# KiCad board AICORS_PCB.kicad_pcb (continued)
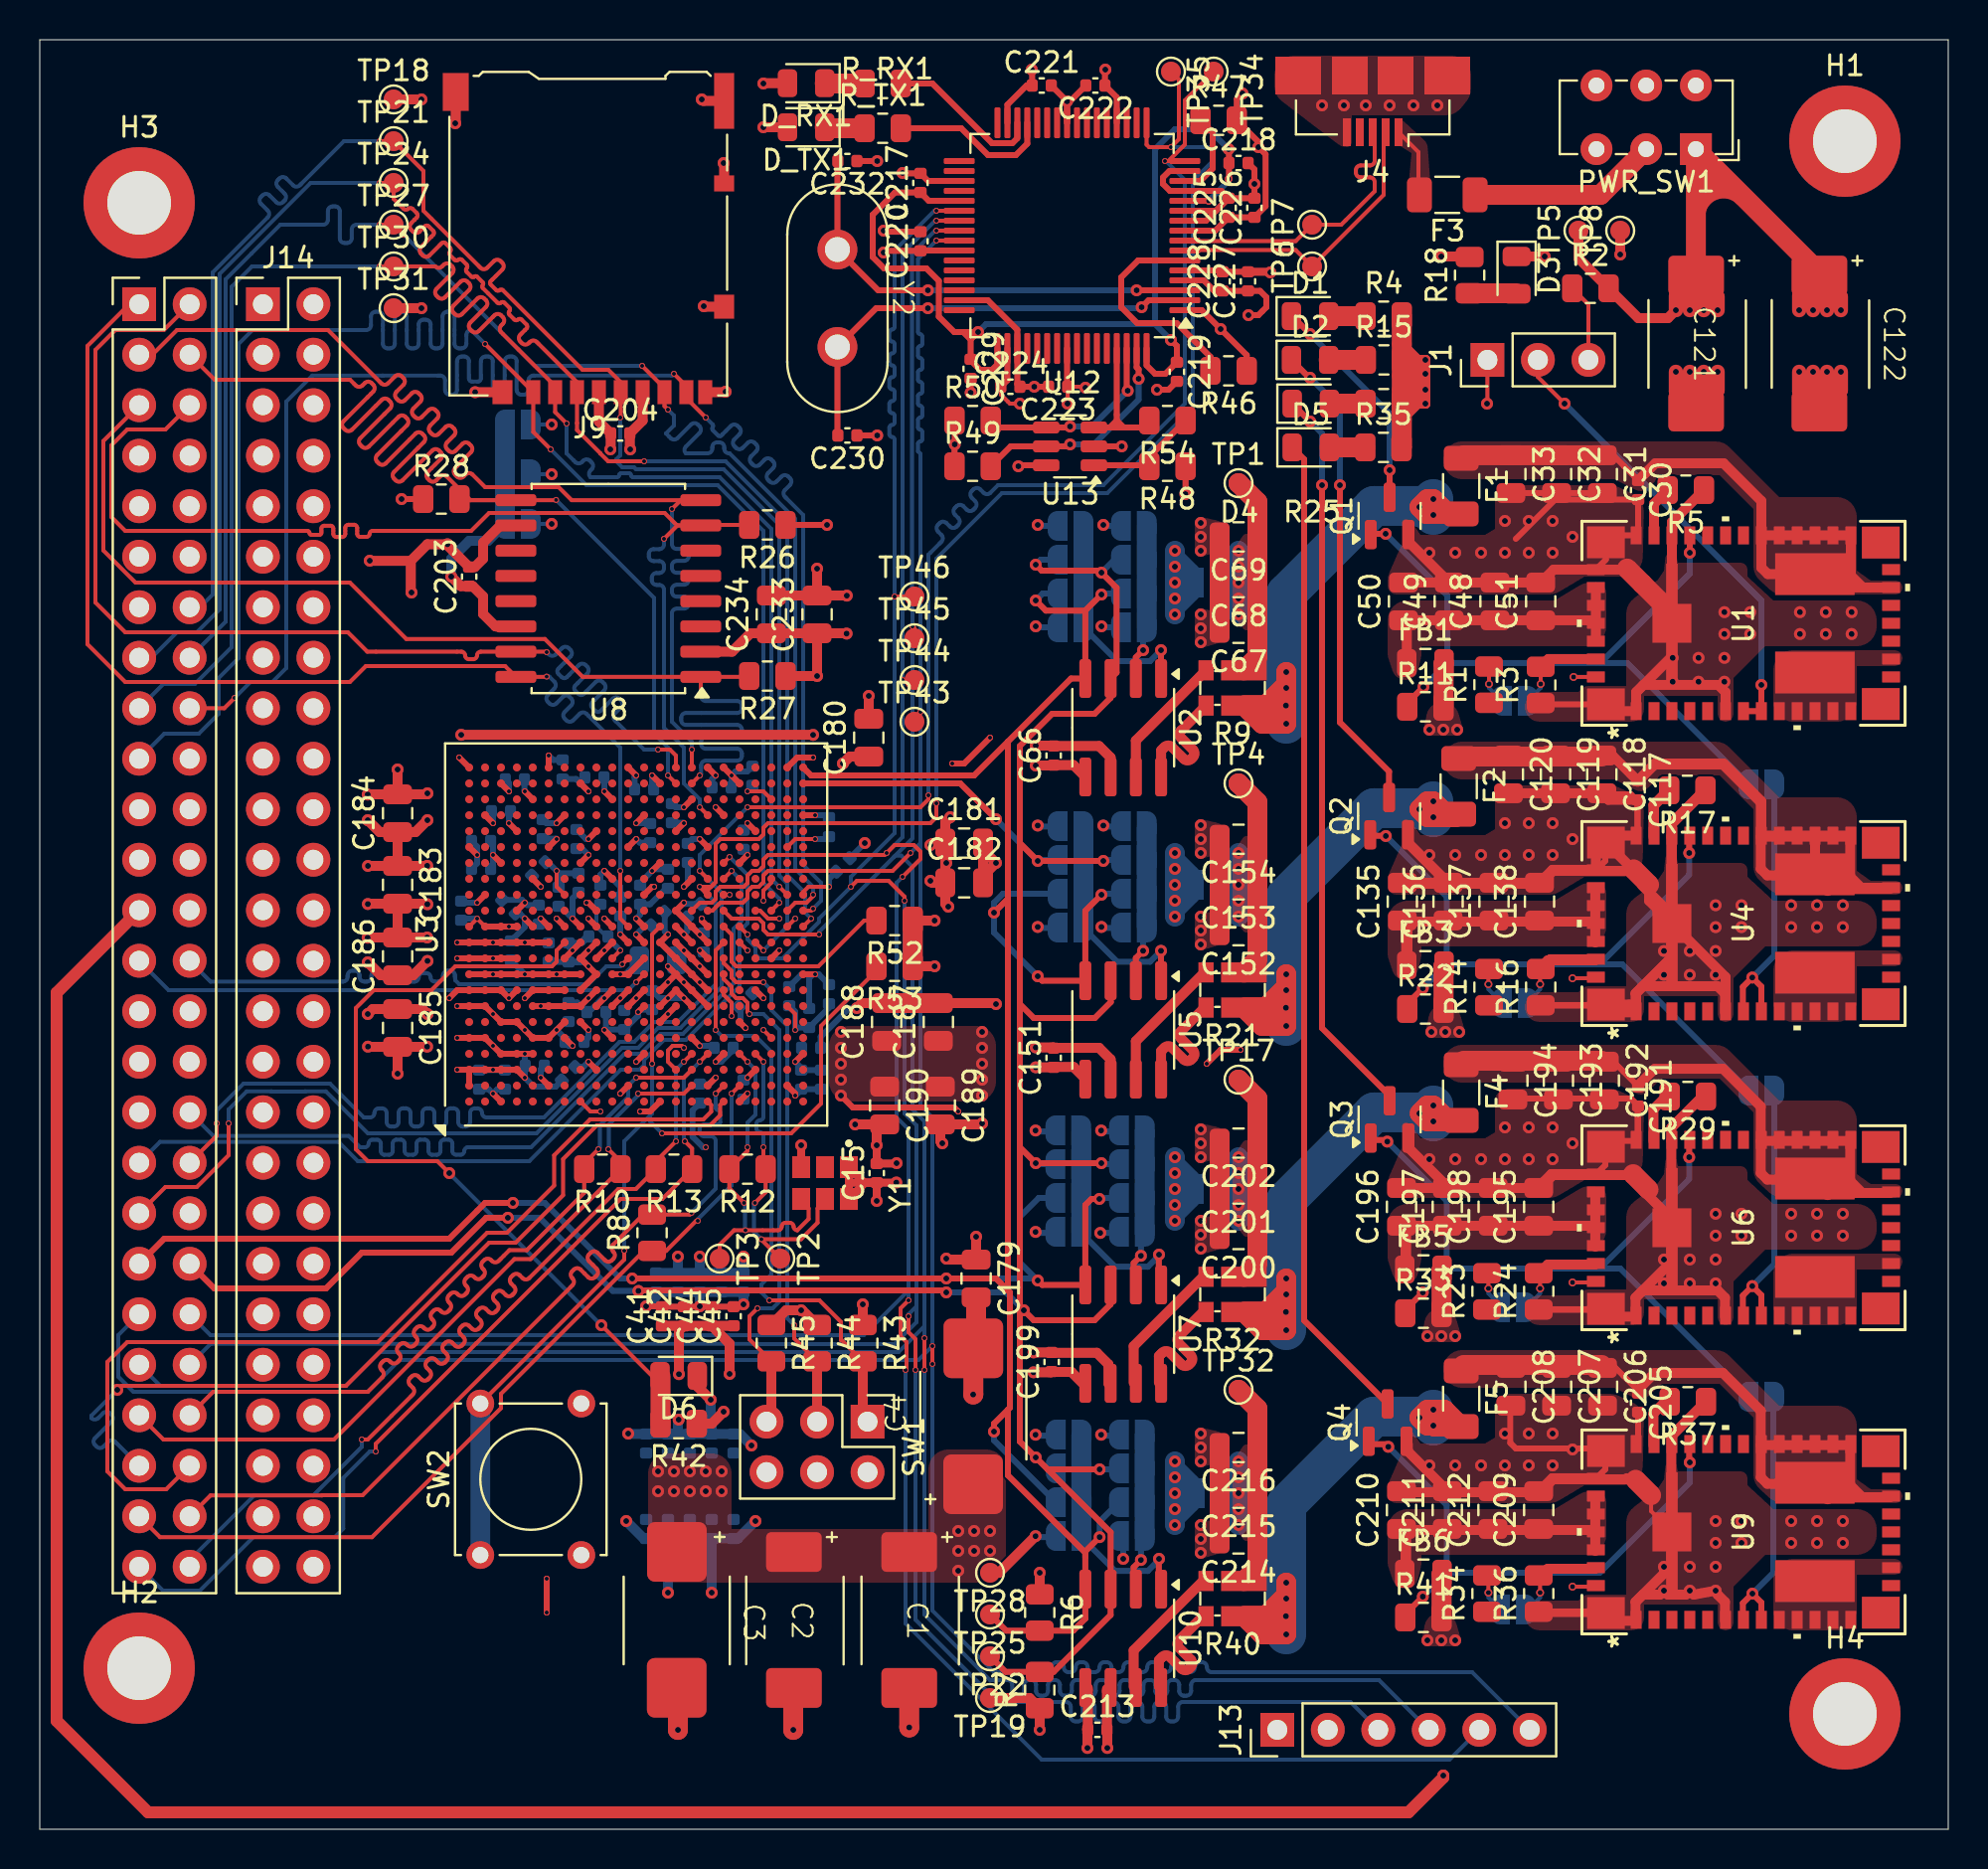
[diagram p0: board, top side]
## Routing (per net, layer and track width the routed paths; a pad name or vN(x,y) marks a point on that pad's centre or on a via; arc(x,y) is an arc through that point) (continued)
PWR_GOOD_1V: length 27.6
  Top w0.3: v2(83,18.45) 82.97,18.48 82.97,19.32 ; 68.76,10.7 68.76,10.89 v2(69.57,11.7) ; v2(67.84,19.24) 67.71,19.36 66.92,19.36
  Bottom w0.3: 70.77,12.9 70.77,16.3 v2(67.84,19.24) ; 70.77,12.9 v2(69.57,11.7) ; 70.77,12.9 78.47,12.9 83,17.43 v2(83,18.45)
PWR_GOOD_1V8: length 37.7
  Top w0.3: v2(69.57,27) 68.76,26.19 68.76,26 ; v2(82.97,33.8) 82.97,34.62 ; 66.92,34.66 67.71,34.66 v2(67.79,34.59)
  Bottom w0.3: JP12.2 79.5,28.2 78.47,28.2 ; v2(82.97,33.8) 82.97,32.7 78.47,28.2 ; 78.47,28.2 70.77,28.2 ; v2(69.57,27) 70.77,28.2 ; 70.77,28.2 70.77,31.6 v2(67.79,34.59)
PWR_GOOD_2V5: length 37.6
  Top w0.3: v2(69.57,42.3) 68.76,41.49 68.76,41.3 ; v2(67.71,49.95) 67.7,49.96 66.92,49.96 ; v2(82.97,49.1) 82.97,49.92
  Bottom w0.3: 78.47,43.5 82.97,48 v2(82.97,49.1) ; 78.47,43.5 79.6,43.5 JP6.2 ; 78.47,43.5 70.77,43.5 ; v2(67.71,49.95) 67.72,49.95 70.77,46.9 70.77,43.5 ; v2(69.57,42.3) 70.77,43.5
PWR_GOOD_3V3: length 37.5
  Top w0.3: v2(69.6,57.45) 68.79,56.64 R11.1 ; v2(83,64.2) U1.33 ; v2(67.7,65.15) 66.99,65.15 Q1.1
  Bottom w0.3: JP3.2 79.85,58.65 78.5,58.65 ; 78.5,58.65 70.8,58.65 ; 78.5,58.65 83,63.15 v2(83,64.2) ; v2(69.6,57.45) 70.8,58.65 ; 70.8,58.65 70.8,62.05 v2(67.7,65.15)
SD_CLK_SPI_3_SCK: length 88.8
  Top w0.2: v1(17.1,84.9) TP21.1 19.3,83.4 19.3,81.4 22.17,78.53 arc(22.34,78.46) 22.51,78.53 22.84,78.87 arc(23.01,78.94) 23.18,78.87 23.27,78.78 arc(23.34,78.61) 23.27,78.44 22.68,77.86 arc(22.65,77.77) 22.68,77.69 22.96,77.41 arc(23.05,77.37) 23.13,77.41 arc(23.21,77.44) 23.29,77.41 27.3,73.4 28.6,73.4 29.23,72.78 J9.5 29.23,71.03 v1(29.2,71) ; v1(36.4,44.2) U3.W11 ; 8.06,61.46 J10.14
  Bottom w0.2: J10.14 8.06,61.46 8.7,62.1 8.7,78.3 11.47,81.07 arc(11.54,81.24) 11.47,81.41 11.13,81.75 arc(11.06,81.92) 11.13,82.09 11.21,82.18 arc(11.38,82.25) 11.55,82.18 11.89,81.83 arc(12.06,81.76) 12.23,81.83 12.32,81.92 arc(12.39,82.09) 12.32,82.26 11.97,82.6 arc(11.9,82.77) 11.97,82.94 12.06,83.03 arc(12.23,83.1) 12.4,83.03 12.74,82.68 arc(12.91,82.61) 13.08,82.68 15.3,84.9 v1(17.1,84.9) ; v1(29.2,71) 29.2,69.1 29,68.9 29,68.8 29.3,68.5 29.89,68.5 29.99,68.4 34.4,68.4 37.2,65.6 37.2,47.97 37.6,47.57 37.6,45.4 v1(36.4,44.2)
SD_CMD_SPI_3_MOSI: length 88.8
  Top w0.2: v1(38.8,45.8) U3.AB12 38.5,45.5 ; v1(30.4,68.8) 28.59,68.8 28.2,69.19 28.2,69.2 27.02,70.38 27.02,70.72 J9.3 27.02,72.78 25,74.8 arc(24.83,74.87) 24.66,74.8 24.59,74.74 arc(24.42,74.67) 24.26,74.74 24.17,74.83 arc(24.1,74.99) 24.17,75.16 24.49,75.49 arc(24.53,75.58) 24.49,75.67 24.23,75.93 arc(24.14,75.96) 24.05,75.93 arc(23.96,75.89) 23.87,75.93 23.62,76.18 arc(23.59,76.26) 23.62,76.35 arc(23.66,76.44) 23.62,76.53 23.37,76.78 arc(23.28,76.81) 23.2,76.78 arc(23.11,76.74) 23.02,76.78 22.28,77.52 arc(22.25,77.59) 22.28,77.66 arc(22.31,77.73) 22.28,77.8 22,78.08 arc(21.93,78.11) 21.86,78.08 arc(21.79,78.05) 21.72,78.08 21.47,78.33 arc(21.44,78.42) 21.47,78.51 arc(21.51,78.6) 21.47,78.69 21.23,78.93 arc(21.14,78.97) 21.05,78.93 arc(20.96,78.89) 20.87,78.93 20.64,79.16 arc(20.6,79.25) 20.64,79.34 arc(20.68,79.44) 20.64,79.53 20.41,79.77 arc(20.31,79.81) 20.22,79.77 19.6,79.15 arc(19.43,79.08) 19.26,79.15 19.18,79.24 arc(19.11,79.41) 19.18,79.58 19.8,80.2 arc(19.84,80.29) 19.8,80.39 19.56,80.62 arc(19.47,80.66) 19.37,80.62 19.11,80.36 arc(18.94,80.29) 18.77,80.36 18.68,80.44 arc(18.61,80.61) 18.68,80.78 18.96,81.06 arc(19.01,81.17) 18.96,81.28 18.75,81.5 arc(18.64,81.54) 18.53,81.5 arc(18.42,81.45) 18.3,81.5 17.8,82 TP24.1 v1(17.1,82.8) ; J10.15 5.62,58.92
  Bottom w0.2: v1(38.8,45.8) 38.5,46.1 38.5,47.09 37.6,47.99 37.6,65.7 34.5,68.8 v1(30.4,68.8) ; v1(17.1,82.8) 13.62,82.8 9.05,78.23 9.05,61.35 7.9,60.2 6.9,60.2 5.62,58.92 J10.15
SD_DAT0_SPI_3_MISO: length 84.5
  Top w0.2: v1(38.9,47) 38.9,46.93 38.57,46.6 38,46.6 U3.AA13 ; v1(17.1,80.7) TP27.1 v1(18.3,80.2) ; v1(30.3,73.6) 31.43,72.48 J9.7 31.43,71.58 v1(31.6,71.4)
  Bottom w0.2: v1(17.1,80.7) 15.93,80.7 arc(15.76,80.63) 15.69,80.46 15.69,80.02 arc(15.62,79.85) 15.45,79.78 15.33,79.78 arc(15.16,79.85) 15.09,80.02 15.09,81.38 arc(15.02,81.55) 14.85,81.62 14.73,81.62 arc(14.56,81.55) 14.49,81.38 14.49,80.94 arc(14.42,80.77) 14.25,80.7 12.1,80.7 9.35,77.95 9.35,60.73 J10.16 ; v1(31.6,71.4) 31.9,71.1 31.9,70.6 31.5,70.2 31.74,69.96 arc(31.91,69.89) 32.08,69.96 32.76,70.65 arc(32.93,70.72) 33.1,70.65 33.19,70.56 arc(33.26,70.4) 33.19,70.23 32.5,69.54 arc(32.43,69.37) 32.5,69.2 33.59,69.2 arc(33.76,69.27) 33.83,69.44 33.83,69.51 arc(33.9,69.68) 34.07,69.75 34.19,69.75 arc(34.36,69.68) 34.43,69.51 34.43,69.44 arc(34.5,69.27) 34.67,69.2 34.7,69.2 38,65.9 38,48.3 38.9,47.4 v1(38.9,47) ; v1(18.3,80.2) 24.9,73.6 v1(30.3,73.6)
SD_DAT1: length 85.8
  Top w0.2: v1(38.9,46.3) 38.8,46.2 U3.AB13 ; v1(31.9,73.2) 32.52,72.58 J9.8 32.52,71.98 v1(33.5,71) ; v1(9.8,56.9) 9.28,56.38 J10.18
  Bottom w0.2: v1(9.8,56.9) 10.6,57.7 11.7,57.7 12.4,58.4 12.4,71.8 13.71,73.11 20.15,73.11 arc(20.32,73.04) 20.39,72.87 20.39,72.39 arc(20.46,72.22) 20.63,72.15 20.75,72.15 arc(20.92,72.22) 20.99,72.39 20.99,73.83 arc(21.06,74) 21.23,74.07 21.35,74.07 arc(21.52,74) 21.59,73.83 21.59,72.96 arc(21.63,72.85) 21.74,72.81 22.04,72.81 arc(22.14,72.85) 22.19,72.96 22.19,73.83 arc(22.26,74) 22.43,74.07 22.55,74.07 arc(22.72,74) 22.79,73.83 22.79,72.39 arc(22.86,72.22) 23.03,72.15 23.15,72.15 arc(23.32,72.22) 23.39,72.39 23.39,73.83 arc(23.46,74) 23.63,74.07 23.75,74.07 arc(23.92,74) 23.99,73.83 23.99,72.39 arc(24.06,72.22) 24.23,72.15 24.35,72.15 arc(24.52,72.22) 24.59,72.39 24.59,72.87 arc(24.66,73.04) 24.83,73.11 31.81,73.11 v1(31.9,73.2) ; v1(38.9,46.3) 39.3,46.7 39.3,47.6 38.4,48.5 38.4,66.1 37.48,67.02 arc(37.41,67.19) 37.48,67.36 37.74,67.61 arc(37.81,67.78) 37.74,67.95 37.65,68.03 arc(37.48,68.1) 37.31,68.03 37.06,67.78 arc(36.89,67.71) 36.72,67.78 36.64,67.86 arc(36.56,68.03) 36.64,68.2 36.89,68.46 arc(36.96,68.63) 36.89,68.8 36.8,68.88 arc(36.63,68.95) 36.46,68.88 36.21,68.63 arc(36.04,68.56) 35.87,68.63 35.79,68.71 arc(35.72,68.88) 35.79,69.05 36.04,69.31 arc(36.11,69.48) 36.04,69.65 35.96,69.73 arc(35.79,69.8) 35.62,69.73 35.36,69.48 arc(35.19,69.41) 35.02,69.48 34.94,69.56 arc(34.87,69.73) 34.94,69.9 35.19,70.15 arc(35.26,70.32) 35.19,70.49 35.11,70.58 arc(34.94,70.65) 34.77,70.58 34.27,70.09 arc(34.2,70.06) 34.13,70.09 33.85,70.37 arc(33.82,70.44) 33.85,70.51 arc(33.88,70.58) 33.85,70.65 v1(33.5,71)
SD_DAT2: length 87.7
  Top w0.2: v1(37.2,46.6) U3.Y13 ; v1(25.7,69.4) 24.83,70.28 J9.1 v1(22.4,74.7)
  Bottom w0.2: v1(37.2,46.6) 37.2,46.8 36.4,47.6 36.4,65.3 34.1,67.6 27.5,67.6 v1(25.7,69.4) ; v1(22.4,74.7) 21.7,75.4 arc(21.53,75.33) 21.46,75.16 21.46,74.72 arc(21.39,74.55) 21.22,74.48 21.1,74.48 arc(20.93,74.55) 20.86,74.72 20.86,76.08 arc(20.79,76.25) 20.62,76.32 20.5,76.32 arc(20.33,76.25) 20.26,76.08 20.26,74.72 arc(20.19,74.55) 20.02,74.48 19.9,74.48 arc(19.73,74.55) 19.66,74.72 19.66,75.68 arc(19.59,75.85) 19.42,75.92 19.3,75.92 arc(19.13,75.85) 19.06,75.68 19.06,74.72 arc(18.99,74.55) 18.82,74.48 18.7,74.48 arc(18.53,74.55) 18.46,74.72 18.46,76.08 arc(18.39,76.25) 18.22,76.32 18.1,76.32 arc(17.93,76.25) 17.86,76.08 17.86,74.72 arc(17.79,74.55) 17.62,74.48 17.5,74.48 arc(17.33,74.55) 17.26,74.72 17.26,76.08 arc(17.19,76.25) 17.02,76.32 16.9,76.32 arc(16.73,76.25) 16.66,76.08 16.66,75.64 arc(16.59,75.47) 16.42,75.4 10.7,75.4 10,74.7 10,58.9 9,57.9 9,56.1 8,55.1 6.26,55.1 J10.19
SD_DAT3_SPI_3_CS: length 88
  Top w0.2: v1(17.1,78.6) TP30.1 19.9,78.6 arc(20.07,78.53) 20.24,78.6 20.32,78.68 arc(20.49,78.75) 20.66,78.68 20.75,78.6 arc(20.82,78.43) 20.75,78.26 19.96,77.47 arc(19.89,77.3) 19.96,77.13 20.04,77.05 arc(20.21,76.98) 20.38,77.05 21.17,77.84 arc(21.34,77.91) 21.51,77.84 21.6,77.75 arc(21.67,77.58) 21.6,77.41 20.81,76.62 arc(20.74,76.45) 20.81,76.28 20.89,76.2 arc(21.06,76.13) 21.23,76.2 22.02,76.99 arc(22.19,77.06) 22.36,76.99 22.44,76.9 arc(22.51,76.73) 22.44,76.56 21.65,75.77 arc(21.58,75.6) 21.65,75.43 21.74,75.35 arc(21.91,75.28) 22.08,75.35 22.87,76.14 arc(23.04,76.21) 23.21,76.14 23.29,76.05 arc(23.36,75.88) 23.29,75.71 23.21,75.63 arc(23.14,75.46) 23.21,75.29 25.93,72.58 J9.2 25.93,71.28 v1(26.5,70.7) ; J10.17 5.48,56.38 ; v1(37.2,47.4) U3.AA14
  Bottom w0.2: J10.17 6.22,57.6 7.8,57.6 9.65,59.45 9.65,77.57 10.68,78.6 v1(17.1,78.6) ; v1(37.2,47.4) 36.8,47.8 36.8,65.4 34.2,68 29.84,68 arc(29.77,68.03) 29.74,68.1 arc(29.71,68.17) 29.64,68.2 29.24,68.2 arc(29.17,68.17) 29.14,68.1 arc(29.11,68.03) 29.04,68 27.7,68 arc(27.63,68.17) 27.7,68.34 27.76,68.4 arc(27.83,68.57) 27.76,68.74 27.68,68.83 arc(27.51,68.9) 27.34,68.83 27.28,68.76 arc(27.11,68.69) 26.94,68.76 26.5,69.2 v1(26.5,70.7)
SPI_1_CS_FLASH: length 62.3
  Top w0.2: 33.25,65.58 32.06,65.58 31.43,66.2 22.6,66.2 21.7,65.3 16.74,65.3 arc(16.64,65.26) 16.59,65.15 arc(16.55,65.04) 16.44,65 16.12,65 arc(16.01,65.04) 15.97,65.15 15.97,65.45 arc(15.92,65.56) 15.81,65.61 15.52,65.61 arc(15.41,65.56) 15.37,65.45 15.37,65.15 arc(15.32,65.04) 15.21,64.99 14.92,64.99 arc(14.81,65.04) 14.77,65.15 14.77,65.43 arc(14.73,65.52) 14.64,65.56 14.3,65.56 arc(14.2,65.52) 14.17,65.43 14.17,65.2 arc(14.14,65.13) 14.07,65.1 13.67,65.1 arc(13.6,65.13) 13.57,65.2 arc(13.54,65.27) 13.47,65.3 4.3,65.3 3.6,66 3.6,69.6 4.4,70.4 6.32,70.4 J10.6 ; 33.25,65.58 32.08,65.58 v1(31.4,64.9) ; 33.25,65.58 33.27,65.6 R26.2 ; v1(33.2,51.4) U3.T19
  Bottom w0.2: v1(33.2,51.4) 33.2,51.8 32.4,52.6 32.4,54.4 31.4,55.4 31.4,62.34 arc(31.33,62.51) 31.16,62.58 31.03,62.58 arc(30.86,62.65) 30.79,62.82 30.79,62.94 arc(30.86,63.11) 31.03,63.18 31.16,63.18 arc(31.33,63.25) 31.4,63.42 31.4,63.54 arc(31.33,63.71) 31.16,63.78 30.88,63.78 arc(30.71,63.85) 30.64,64.02 30.64,64.14 arc(30.71,64.31) 30.88,64.38 31.16,64.38 arc(31.33,64.45) 31.4,64.62 v1(31.4,64.9)
SPI_1_IO2: length 62.4
  Top w0.2: U8.9 25.96,66.85 v1(25.97,66.86) ; U8.9 21.66,66.85 20.47,68.03 arc(20.3,68.1) 20.13,68.03 19.94,67.84 arc(19.77,67.77) 19.6,67.84 19.52,67.93 arc(19.45,68.1) 19.52,68.27 20.17,68.92 arc(20.24,69.09) 20.17,69.26 20.08,69.34 arc(19.92,69.41) 19.75,69.34 18.25,67.84 arc(18.08,67.77) 17.91,67.84 17.82,67.93 arc(17.75,68.1) 17.82,68.27 19.32,69.77 arc(19.39,69.94) 19.32,70.11 19.24,70.19 arc(19.07,70.26) 18.9,70.19 17.4,68.69 arc(17.23,68.62) 17.06,68.69 16.97,68.78 arc(16.9,68.95) 16.97,69.12 18.47,70.61 arc(18.54,70.78) 18.47,70.95 18.39,71.04 arc(18.22,71.11) 18.05,71.04 16.55,69.54 arc(16.38,69.47) 16.21,69.54 16.12,69.62 arc(16.05,69.79) 16.12,69.96 17.62,71.46 arc(17.69,71.63) 17.62,71.8 17.54,71.89 arc(17.37,71.96) 17.2,71.89 15.7,70.39 arc(15.53,70.32) 15.36,70.39 15.28,70.47 arc(15.21,70.64) 15.28,70.81 16.78,72.31 arc(16.85,72.48) 16.78,72.65 16.69,72.74 arc(16.52,72.81) 16.35,72.74 16.23,72.62 arc(16.06,72.55) 15.89,72.62 15.61,72.9 8.8,72.9 J10.4 ; U8.9 21.17,66.85 R28.2 ; v1(31.6,53) U3.P21
  Bottom w0.2: v1(31.6,53) 31.6,54.4 30.9,55.1 30.9,61.93 v1(25.97,66.86)
SPI_1_IO3: length 61.8
  Top w0.2: U8.1 35.64,57.96 R27.2 ; U8.1 27.31,57.96 25.4,59.86 18.44,59.86 15.6,62.7 4.82,62.7 3.2,64.32 3.2,69.82 J10.5 ; U8.1 33.25,57.12 v1(33.27,57.11) ; v1(33.2,53) U3.R21
  Bottom w0.2: v1(33.2,53) 33.27,53.07 33.27,53.5 arc(33.34,53.67) 33.51,53.74 35.08,53.74 arc(35.25,53.81) 35.32,53.98 35.32,54.1 arc(35.25,54.27) 35.08,54.34 33.51,54.34 arc(33.34,54.41) 33.27,54.58 33.27,54.7 arc(33.34,54.87) 33.51,54.94 35.08,54.94 arc(35.25,55.01) 35.32,55.18 35.32,55.3 arc(35.25,55.47) 35.08,55.54 32.51,55.54 arc(32.34,55.61) 32.27,55.78 32.27,55.9 arc(32.34,56.07) 32.51,56.14 35.08,56.14 arc(35.25,56.21) 35.32,56.38 35.32,56.5 arc(35.25,56.67) 35.08,56.74 33.51,56.74 arc(33.34,56.81) 33.27,56.98 v1(33.27,57.11)
SPI_1_MISO_IO1: length 59.9
  Top w0.2: v1(31.8,66.4) 32.25,66.85 U8.8 26.76,66.85 26.1,67.5 22.4,67.5 21.76,68.14 arc(21.59,68.21) 21.42,68.14 21.32,68.04 arc(21.15,67.96) 20.98,68.04 20.89,68.12 arc(20.82,68.29) 20.89,68.46 21.69,69.25 arc(21.76,69.42) 21.69,69.59 21.6,69.68 arc(21.43,69.75) 21.26,69.68 20.91,69.33 arc(20.74,69.26) 20.57,69.33 20.49,69.41 arc(20.42,69.58) 20.49,69.75 20.84,70.1 arc(20.91,70.27) 20.84,70.44 20.75,70.53 arc(20.58,70.6) 20.42,70.53 20.06,70.17 arc(19.89,70.1) 19.73,70.17 19.64,70.26 arc(19.57,70.43) 19.64,70.6 19.99,70.95 arc(20.06,71.12) 19.99,71.29 19.91,71.37 arc(19.74,71.44) 19.57,71.37 19.22,71.02 arc(19.05,70.95) 18.88,71.02 18.79,71.11 arc(18.72,71.28) 18.79,71.45 19.14,71.8 arc(19.21,71.97) 19.14,72.14 19.06,72.22 arc(18.89,72.29) 18.72,72.22 18.37,71.87 arc(18.2,71.8) 18.03,71.87 17.94,71.96 arc(17.87,72.13) 17.94,72.3 18.29,72.65 arc(18.36,72.82) 18.29,72.99 18.21,73.07 arc(18.04,73.14) 17.87,73.07 17.52,72.72 arc(17.35,72.65) 17.18,72.72 14.5,75.4 6.9,75.4 5.66,74.16 J10.3 ; v1(32.8,54.3) U3.R22
  Bottom w0.2: v1(31.8,66.4) 31.8,64.63 arc(31.87,64.46) 32.04,64.39 32.4,64.39 arc(32.57,64.32) 32.64,64.15 32.64,64.03 arc(32.57,63.86) 32.4,63.79 32.04,63.79 arc(31.87,63.72) 31.8,63.55 31.8,63.43 arc(31.87,63.26) 32.04,63.19 32.4,63.19 arc(32.57,63.12) 32.64,62.95 32.64,62.83 arc(32.57,62.66) 32.4,62.59 32.04,62.59 arc(31.87,62.52) 31.8,62.35 31.8,62.23 arc(31.87,62.06) 32.04,61.99 32.4,61.99 arc(32.57,61.92) 32.64,61.75 32.64,61.63 arc(32.57,61.46) 32.4,61.39 32.04,61.39 arc(31.87,61.32) 31.8,61.15 31.8,55.7 32.8,54.7 v1(32.8,54.3)
SPI_1_MOSI_IO0: length 59.9
  Top w0.2: v1(25.5,59.2) 25.48,59.23 U8.15 22.19,59.23 arc(22.05,59.17) 22,59.04 arc(21.94,58.9) 21.81,58.85 21.59,58.85 arc(21.45,58.9) 21.4,59.04 arc(21.34,59.17) 21.21,59.23 16.48,59.23 15.5,60.2 4.3,60.2 2.8,61.7 2.8,74.4 3.8,75.4 6.24,75.4 J10.2 ; v1(31.1,54.3) 31.7,54.3 32,54 U3.P22
  Bottom w0.2: v1(25.5,59.2) 25.61,59.09 arc(25.78,59.01) 25.95,59.09 26.27,59.4 arc(26.44,59.47) 26.61,59.4 26.69,59.32 arc(26.76,59.15) 26.69,58.98 26.08,58.37 arc(26.03,58.24) 26.08,58.11 26.26,57.94 arc(26.38,57.89) 26.51,57.94 27.12,58.55 arc(27.29,58.62) 27.46,58.55 27.54,58.47 arc(27.61,58.3) 27.54,58.13 26.93,57.52 arc(26.88,57.39) 26.93,57.26 27.1,57.09 arc(27.23,57.04) 27.36,57.09 27.97,57.7 arc(28.14,57.77) 28.31,57.7 28.39,57.62 arc(28.46,57.45) 28.39,57.28 27.78,56.67 arc(27.73,56.54) 27.78,56.42 27.95,56.24 arc(28.08,56.19) 28.2,56.24 28.82,56.85 arc(28.99,56.93) 29.15,56.85 29.24,56.77 arc(29.31,56.6) 29.24,56.43 28.92,56.12 arc(28.85,55.95) 28.92,55.78 30.4,54.3 v1(31.1,54.3)
SPI_1_SCK: length 60.2
  Top w0.2: U3.L12 29.2,45.8 v1(29.2,48.2) ; v1(25.5,57.97) 25.48,57.96 U8.16 23.41,58.5 16.4,58.5 15.6,57.7 4.3,57.7 2.4,59.6 2.4,74.6 4.5,76.7 J10.1
  Bottom w0.2: v1(25.5,57.97) 25.63,57.97 25.89,57.71 arc(25.96,57.54) 25.89,57.37 25.55,57.04 arc(25.48,56.87) 25.55,56.7 25.64,56.62 arc(25.81,56.55) 25.98,56.62 26.31,56.95 arc(26.48,57.02) 26.65,56.95 26.73,56.87 arc(26.8,56.7) 26.73,56.53 26.4,56.19 arc(26.33,56.03) 26.4,55.86 26.49,55.77 arc(26.66,55.7) 26.83,55.77 27.16,56.1 arc(27.33,56.17) 27.5,56.1 29.2,54.4 v1(29.2,48.2)
SPI_CS_N: length 37.9
  Top w0.2: J10.45 6.22,19.6 14.8,19.6 23.88,28.68 24.69,28.68 R10.1 29.21,33.59 v1(28.6,34.2) ; U3.R2 32.4,37 v1(30.1,37)
  Bottom w0.2: v1(30.1,37) 30.1,36.91 28.63,35.44 28.63,34.23 v1(28.6,34.2)
SPI_CS_P: length 39
  Top w0.2: J10.46 8.72,22 16.5,22 17.23,22.73 arc(17.3,22.9) 17.23,23.07 17.19,23.11 arc(17.12,23.28) 17.19,23.45 17.27,23.54 arc(17.44,23.61) 17.61,23.54 17.65,23.49 arc(17.82,23.42) 17.99,23.49 18.08,23.58 arc(18.15,23.75) 18.08,23.92 18.04,23.96 arc(17.96,24.13) 18.04,24.3 18.12,24.38 arc(18.29,24.45) 18.46,24.38 18.5,24.34 arc(18.67,24.27) 18.84,24.34 18.93,24.43 arc(19,24.6) 18.93,24.77 18.88,24.81 arc(18.81,24.98) 18.88,25.15 18.97,25.23 arc(19.14,25.3) 19.31,25.23 19.35,25.19 arc(19.52,25.12) 19.69,25.19 19.77,25.27 arc(19.85,25.44) 19.77,25.61 19.73,25.66 arc(19.66,25.83) 19.73,26 19.82,26.08 arc(19.99,26.15) 20.16,26.08 20.2,26.04 arc(20.37,25.97) 20.54,26.04 20.62,26.12 arc(20.69,26.29) 20.62,26.46 20.58,26.51 arc(20.51,26.68) 20.58,26.84 20.67,26.93 arc(20.84,27) 21.01,26.93 21.05,26.89 arc(21.22,26.82) 21.39,26.89 21.47,26.97 arc(21.54,27.14) 21.47,27.31 21.43,27.35 arc(21.36,27.52) 21.43,27.69 21.51,27.78 arc(21.68,27.85) 21.85,27.78 21.9,27.74 arc(22.07,27.67) 22.24,27.74 22.32,27.82 arc(22.39,27.99) 22.32,28.16 22.28,28.2 arc(22.21,28.37) 22.28,28.54 22.36,28.63 arc(22.53,28.7) 22.7,28.63 22.74,28.58 arc(22.91,28.51) 23.08,28.58 23.62,29.13 24.5,29.13 27.39,32.01 R10.2 27.39,33.49 v1(28.1,34.2) ; U3.R3 32.4,37.8 v1(30,37.8)
  Bottom w0.2: v1(28.1,34.2) 28.17,34.27 28.17,35.41 29.6,36.83 29.6,37.4 v1(30,37.8)
SPI_MISO_IO1_N: length 45.9
  Top w0.2: U3.U1 34.23,36.43 34.23,35.91 33.72,35.4 28.02,35.4 26.33,33.71 26.33,31.89 23.94,29.5 22.6,29.5 15.4,22.3 4.1,22.3 v2(3.9,22.1)
  Bottom w0.2: v2(3.9,22.1) 2.6,20.8 2.6,20.68 arc(2.77,20.61) 2.94,20.68 3.19,20.93 arc(3.36,21) 3.53,20.93 3.61,20.84 arc(3.68,20.67) 3.61,20.5 2.78,19.67 arc(2.71,19.5) 2.78,19.33 2.86,19.24 arc(3.03,19.17) 3.2,19.24 3.45,19.49 arc(3.62,19.56) 3.79,19.49 J10.47
SPI_MISO_IO1_P: length 48.2
  Top w0.2: J10.48 6.36,17.1 4.3,17.1 3.4,18 3.4,23.5 4.4,24.5 17,24.5 22.5,30 23.5,30 25.87,32.37 25.87,33.89 27.68,35.7 33.38,35.7 33.77,36.09 33.77,36.43 U3.T1
  Bottom w0.2: 7.54,18.94 J10.48
SPI_MOSI_IO0_N: length 43.2
  Top w0.2: J10.49 6.05,14.69 16.71,14.69 23.2,21.18 23.2,21.9 30.39,29.09 R8.1 31.51,29.09 33.02,30.6 v1(33.1,30.6) ; U3.V2 v1(34.8,37)
  Bottom w0.2: v1(34.8,37) 34.8,32.38 33.1,30.68 v1(33.1,30.6)
SPI_MOSI_IO0_P: length 43.1
  Top w0.2: 30.6,30.91 30.35,30.91 28.84,29.4 arc(28.77,29.23) 28.84,29.06 28.86,29.04 arc(28.93,28.87) 28.86,28.7 28.78,28.61 arc(28.61,28.54) 28.44,28.61 28.05,29 arc(27.88,29.07) 27.71,29 27.63,28.91 arc(27.56,28.74) 27.63,28.57 28.01,28.19 arc(28.08,28.02) 28.01,27.85 27.93,27.77 arc(27.76,27.69) 27.59,27.77 27.2,28.15 arc(27.03,28.22) 26.86,28.15 26.78,28.06 arc(26.71,27.89) 26.78,27.72 26.8,27.7 arc(26.87,27.53) 26.8,27.36 23.36,23.93 16.24,16.8 14.21,16.8 14.2,16.79 8.59,16.79 J10.50 ; v1(32.78,31) 32.69,30.91 R8.2 ; U3.U2 v1(34,37)
  Bottom w0.2: v1(34,37) 34,36.29 arc(34.03,36.21) 34.11,36.17 arc(34.2,36.14) 34.23,36.06 34.23,35.56 arc(34.2,35.48) 34.11,35.45 33.43,35.45 arc(33.26,35.38) 33.19,35.21 33.19,35.09 arc(33.26,34.92) 33.43,34.85 33.76,34.85 arc(33.93,34.78) 34,34.61 34,32.22 v1(32.78,31)
SPI_SCK_N: length 45.9
  Top w0.2: v1(16.9,19) 16.9,19.38 29.22,31.7 31.31,31.7 R13.1 ; v1(32.45,34.6) 32.81,34.24 R13.1 ; R13.1 32.4,33.61 ; U3.T4 v1(33.2,38.6)
  Bottom w0.2: J10.51 6.2,12 8.05,12 10.74,14.69 14.84,14.69 15.26,15.12 15.26,17.66 16.6,19 v1(16.9,19) ; v1(32.45,34.6) 32.4,34.65 32.4,37.8 v1(33.2,38.6)
SPI_SCK_P: length 45.4
  Top w0.2: v1(16.2,19.6) 16.5,19.6 18.77,21.87 arc(18.84,22.04) 18.77,22.21 18.62,22.35 arc(18.55,22.52) 18.62,22.69 18.71,22.77 arc(18.88,22.84) 19.05,22.77 19.19,22.63 arc(19.36,22.56) 19.53,22.63 19.62,22.72 arc(19.69,22.88) 19.62,23.05 19.47,23.2 arc(19.4,23.37) 19.47,23.54 19.56,23.62 arc(19.73,23.69) 19.9,23.62 20.04,23.48 arc(20.21,23.41) 20.38,23.48 20.46,23.56 arc(20.53,23.73) 20.46,23.9 20.32,24.05 arc(20.25,24.22) 20.32,24.38 20.41,24.47 arc(20.58,24.54) 20.75,24.47 20.89,24.33 arc(21.06,24.26) 21.23,24.33 21.31,24.41 arc(21.38,24.58) 21.31,24.75 21.17,24.89 arc(21.1,25.06) 21.17,25.23 21.25,25.32 arc(21.42,25.39) 21.59,25.32 21.74,25.18 arc(21.91,25.11) 22.08,25.18 22.16,25.26 arc(22.23,25.43) 22.16,25.6 22.02,25.74 arc(21.95,25.91) 22.02,26.08 22.1,26.17 arc(22.27,26.24) 22.44,26.17 22.58,26.02 arc(22.75,25.95) 22.92,26.02 23.01,26.11 arc(23.08,26.28) 23.01,26.45 22.87,26.59 arc(22.8,26.76) 22.87,26.93 22.95,27.02 arc(23.12,27.09) 23.29,27.02 23.43,26.87 arc(23.6,26.8) 23.77,26.87 23.86,26.96 arc(23.93,27.13) 23.86,27.3 23.72,27.44 arc(23.65,27.61) 23.72,27.78 23.8,27.86 arc(23.97,27.93) 24.14,27.86 24.28,27.72 arc(24.45,27.65) 24.62,27.72 29.1,32.2 29.99,32.2 R13.2 30.99,33.59 v1(32,34.6) ; U3.R4 v1(32.4,38.6)
  Bottom w0.2: v1(32.4,38.6) 32,38.2 v1(32,34.6) ; v1(16.2,19.6) 16.2,19.23 13.76,16.79 10.79,16.79 7.54,13.54 J10.52
SYS_CLK_N: length 16.2
  Top w0.2: TP2.1 36.3,29.65 v1(36.3,29.67) 38.29,29.67 39.12,30.51 39.12,31.23 39.5,31.6 Y1.5 ; v1(36.4,34.3) 36.4,33.31 R12.1 36.51,32.04 v1(35.98,31.5) ; U3.W4 v1(36.4,38.6)
  Bottom w0.2: v1(36.4,34.3) 36.4,34.89 arc(36.35,35.01) 36.23,35.06 arc(36.1,35.11) 36.05,35.23 36.05,35.49 arc(36.1,35.61) 36.23,35.66 arc(36.35,35.71) 36.4,35.83 v1(36.4,38.6) ; v1(35.98,31.5) 35.93,31.45 35.93,30.05 v1(36.3,29.67)
SYS_CLK_P: length 17.5
  Top w0.2: 34.8,33.31 R12.2 ; R12.2 35.6,34.11 v1(35.6,34.3) ; R12.2 34.69,32.24 v1(35.43,31.5) ; Y1.4 38.3,31.6 38.68,31.23 38.68,30.69 38.11,30.13 arc(37.97,30.18) 37.92,30.31 arc(37.87,30.44) 37.73,30.5 37.51,30.5 arc(37.37,30.44) 37.32,30.31 arc(37.27,30.18) 37.13,30.13 v1(35.5,30.13) 34.93,30.13 34.2,29.4 TP3.1 ; U3.V4 v1(35.6,38.6)
  Bottom w0.2: v1(35.6,34.3) 35.6,35.54 36,35.94 36,38.2 v1(35.6,38.6) ; v1(35.43,31.5) 35.47,31.45 35.47,30.15 v1(35.5,30.13)
UART_1_RX: length 111
  Top w0.2: v1(8.9,35.5) 8.9,34.88 J10.36 ; 33.88,47.52 34,47.63 34,49.57 34.23,49.8 36.17,49.8 36.4,50.03 36.4,50.37 36.63,50.6 44.8,50.6 45.1,50.9 v1(45.1,51.6) ; 33.88,47.52 33.6,47.23 U3.T14 33.45,47.15 ; 33.88,47.52 33.77,47.4 33.5,47.4 ; 33.45,47.15 v1(33.2,47.4) 33.5,47.4 ; 33.45,47.15 33.5,47.2 33.5,47.4 ; U12.17 55.68,84.73 55.8,84.6 v1(56.9,84.6) 57.3,85 57.3,88 TP35.1
  Bottom w0.2: v1(45.1,51.6) 45.1,63.9 48.4,67.2 53.7,67.2 58,71.5 58,82.9 59,83.9 59,84.4 58.8,84.6 v1(56.9,84.6) ; v1(33.2,47.4) 34,46.6 34,42.5 32.1,40.6 30.9,40.6 29.9,39.6 29.17,39.6 25.37,35.8 22.48,35.8 arc(22.31,35.87) 22.25,36.03 arc(22.18,36.19) 22.02,36.25 21.88,36.25 arc(21.71,36.19) 21.65,36.03 21.65,35.57 arc(21.58,35.41) 21.42,35.34 21.28,35.34 arc(21.12,35.41) 21.05,35.57 21.05,36.03 arc(20.98,36.19) 20.82,36.26 20.68,36.26 arc(20.52,36.19) 20.45,36.03 20.45,35.57 arc(20.38,35.41) 20.22,35.34 20.08,35.34 arc(19.92,35.41) 19.85,35.57 19.85,36.03 arc(19.78,36.19) 19.62,36.26 19.48,36.26 arc(19.32,36.19) 19.25,36.03 19.25,35.57 arc(19.18,35.41) 19.02,35.34 18.88,35.34 arc(18.72,35.41) 18.65,35.57 18.65,36.03 arc(18.58,36.19) 18.42,36.26 18.28,36.26 arc(18.12,36.19) 18.05,36.03 18.05,35.57 arc(17.98,35.41) 17.82,35.34 17.68,35.34 arc(17.52,35.41) 17.45,35.57 17.45,36.03 arc(17.38,36.19) 17.22,36.25 17.06,36.25 arc(16.9,36.19) 16.84,36.03 arc(16.77,35.87) 16.61,35.8 16.3,35.8 14.6,37.5 10.25,37.5 8.9,36.15 v1(8.9,35.5)
UART_1_TX: length 108.1
  Top w0.2: U12.16 v1(56.6,83.9) 56.77,83.9 57.6,84.73 57.6,86.95 TP34.1 ; v1(35.6,51.4) 44.3,51.4 44.7,51.8 v1(44.7,52) ; v1(9.5,35.5) 9.5,33.9 7.9,32.3 6.32,32.3 J10.37 ; v1(33.2,48.2) U3.T15
  Bottom w0.2: v1(56.6,83.9) 56.65,83.9 57.6,82.95 57.6,71.7 53.5,67.6 48.2,67.6 47.82,67.22 arc(47.65,67.15) 47.48,67.22 47.31,67.39 arc(47.14,67.46) 46.97,67.39 46.88,67.3 arc(46.81,67.13) 46.88,66.97 47.05,66.79 arc(47.12,66.62) 47.05,66.45 46.97,66.37 arc(46.8,66.3) 46.63,66.37 46.46,66.54 arc(46.29,66.61) 46.12,66.54 46.03,66.46 arc(45.96,66.29) 46.03,66.12 46.2,65.94 arc(46.28,65.77) 46.2,65.6 46.12,65.52 arc(45.95,65.45) 45.78,65.52 45.61,65.69 arc(45.44,65.76) 45.27,65.69 45.18,65.61 arc(45.11,65.44) 45.18,65.27 45.36,65.1 arc(45.43,64.93) 45.36,64.76 44.7,64.1 v1(44.7,52) ; 32.52,40.6 34.3,42.38 34.3,47.1 v1(33.2,48.2) 33.2,49 v1(35.6,51.4) ; 32.51,40.59 32.22,40.3 31.1,40.3 30.1,39.3 29.29,39.3 24.99,35 16.5,35 14.39,37.11 13.33,37.11 13.32,37.1 11.67,37.1 11.66,37.11 10.41,37.11 9.5,36.2 v1(9.5,35.5)
UART_2_RX: length 42.7
  Top w0.2: U3.U15 v1(34.8,48.2)
  Bottom w0.2: J10.34 8.73,34.87 15.54,34.87 16.11,34.3 16.35,34.3 arc(16.49,34.36) 16.54,34.49 arc(16.6,34.62) 16.73,34.68 16.97,34.68 arc(17.1,34.62) 17.15,34.49 17.15,34.11 arc(17.21,33.97) 17.34,33.92 17.56,33.92 arc(17.7,33.97) 17.75,34.11 17.75,34.49 arc(17.81,34.63) 17.94,34.68 18.16,34.68 arc(18.3,34.63) 18.35,34.49 18.35,34.11 arc(18.41,33.97) 18.54,33.92 18.76,33.92 arc(18.9,33.97) 18.95,34.11 18.95,34.49 arc(19.01,34.63) 19.14,34.68 19.36,34.68 arc(19.5,34.63) 19.55,34.49 19.55,34.11 arc(19.61,33.97) 19.74,33.92 19.96,33.92 arc(20.1,33.97) 20.15,34.11 20.15,34.49 arc(20.21,34.63) 20.34,34.68 20.56,34.68 arc(20.7,34.63) 20.75,34.49 20.75,34.11 arc(20.81,33.98) 20.94,33.92 21.17,33.92 arc(21.3,33.98) 21.35,34.11 arc(21.41,34.24) 21.54,34.3 24.71,34.3 29.41,39 30.22,39 31.22,40 32.35,40 34.9,42.55 34.9,45.29 35.3,45.69 35.3,47.7 v1(34.8,48.2)
